# Altium PCB Supply_modulev3.0.PcbDoc
Units mm, origin at the board's own origin, x right, y up, seen from the top; angles counter-clockwise.
Board outline 131.75 x 112.76 mm, 2 copper layers (Top Layer, Bottom Layer); 277 components, 200 nets, 975 pads, 6 vias.
Unrouted connection lines stored in the file: 648.
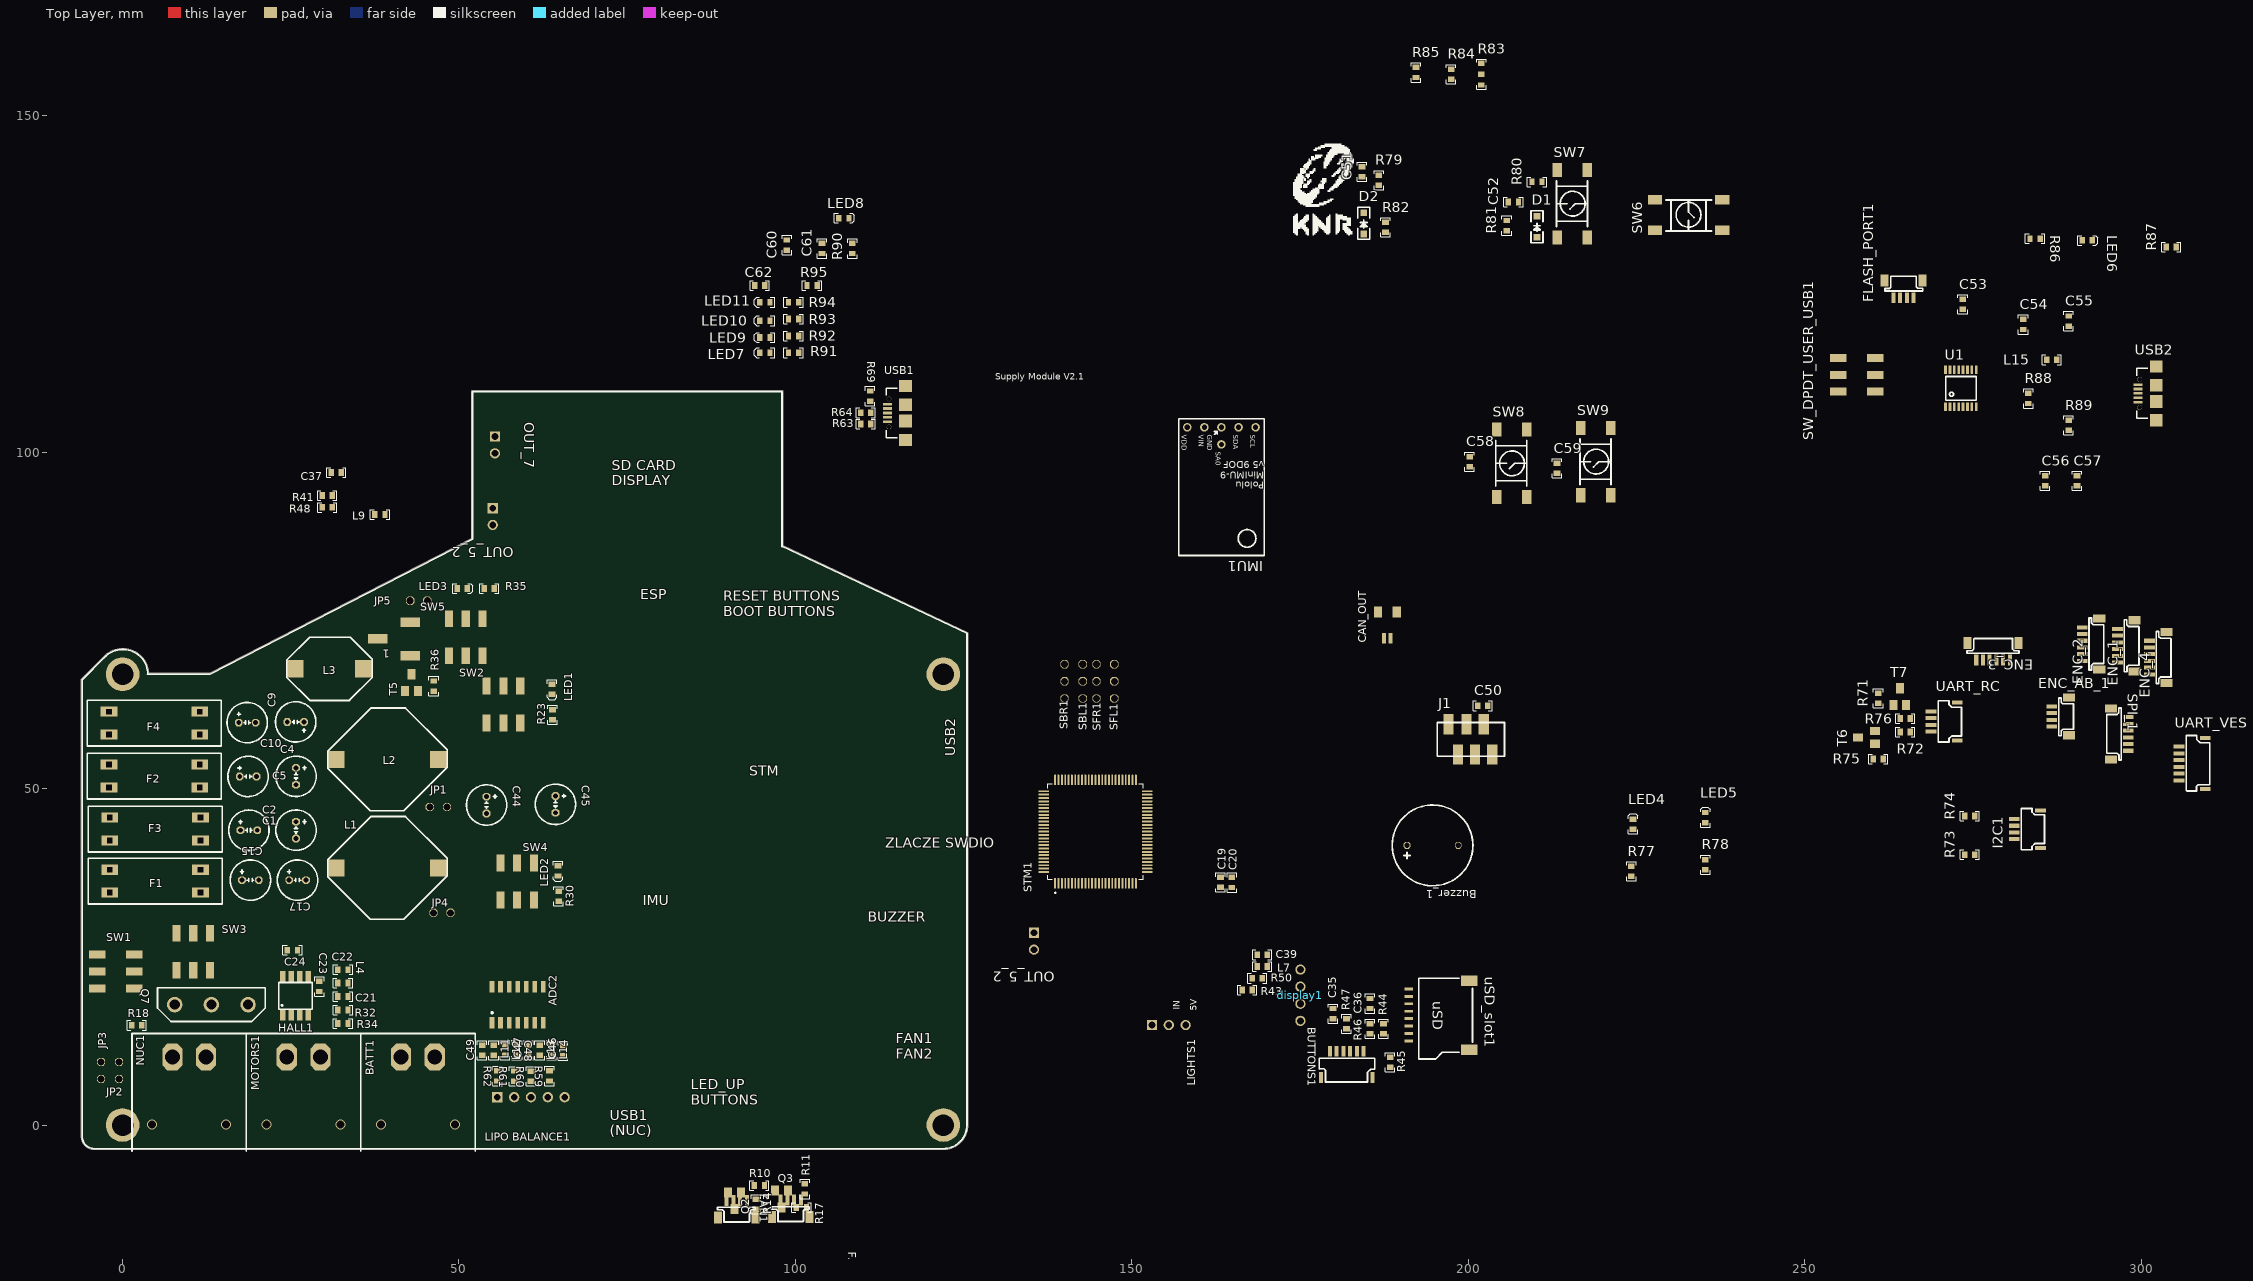
[diagram p0: Top Layer view]
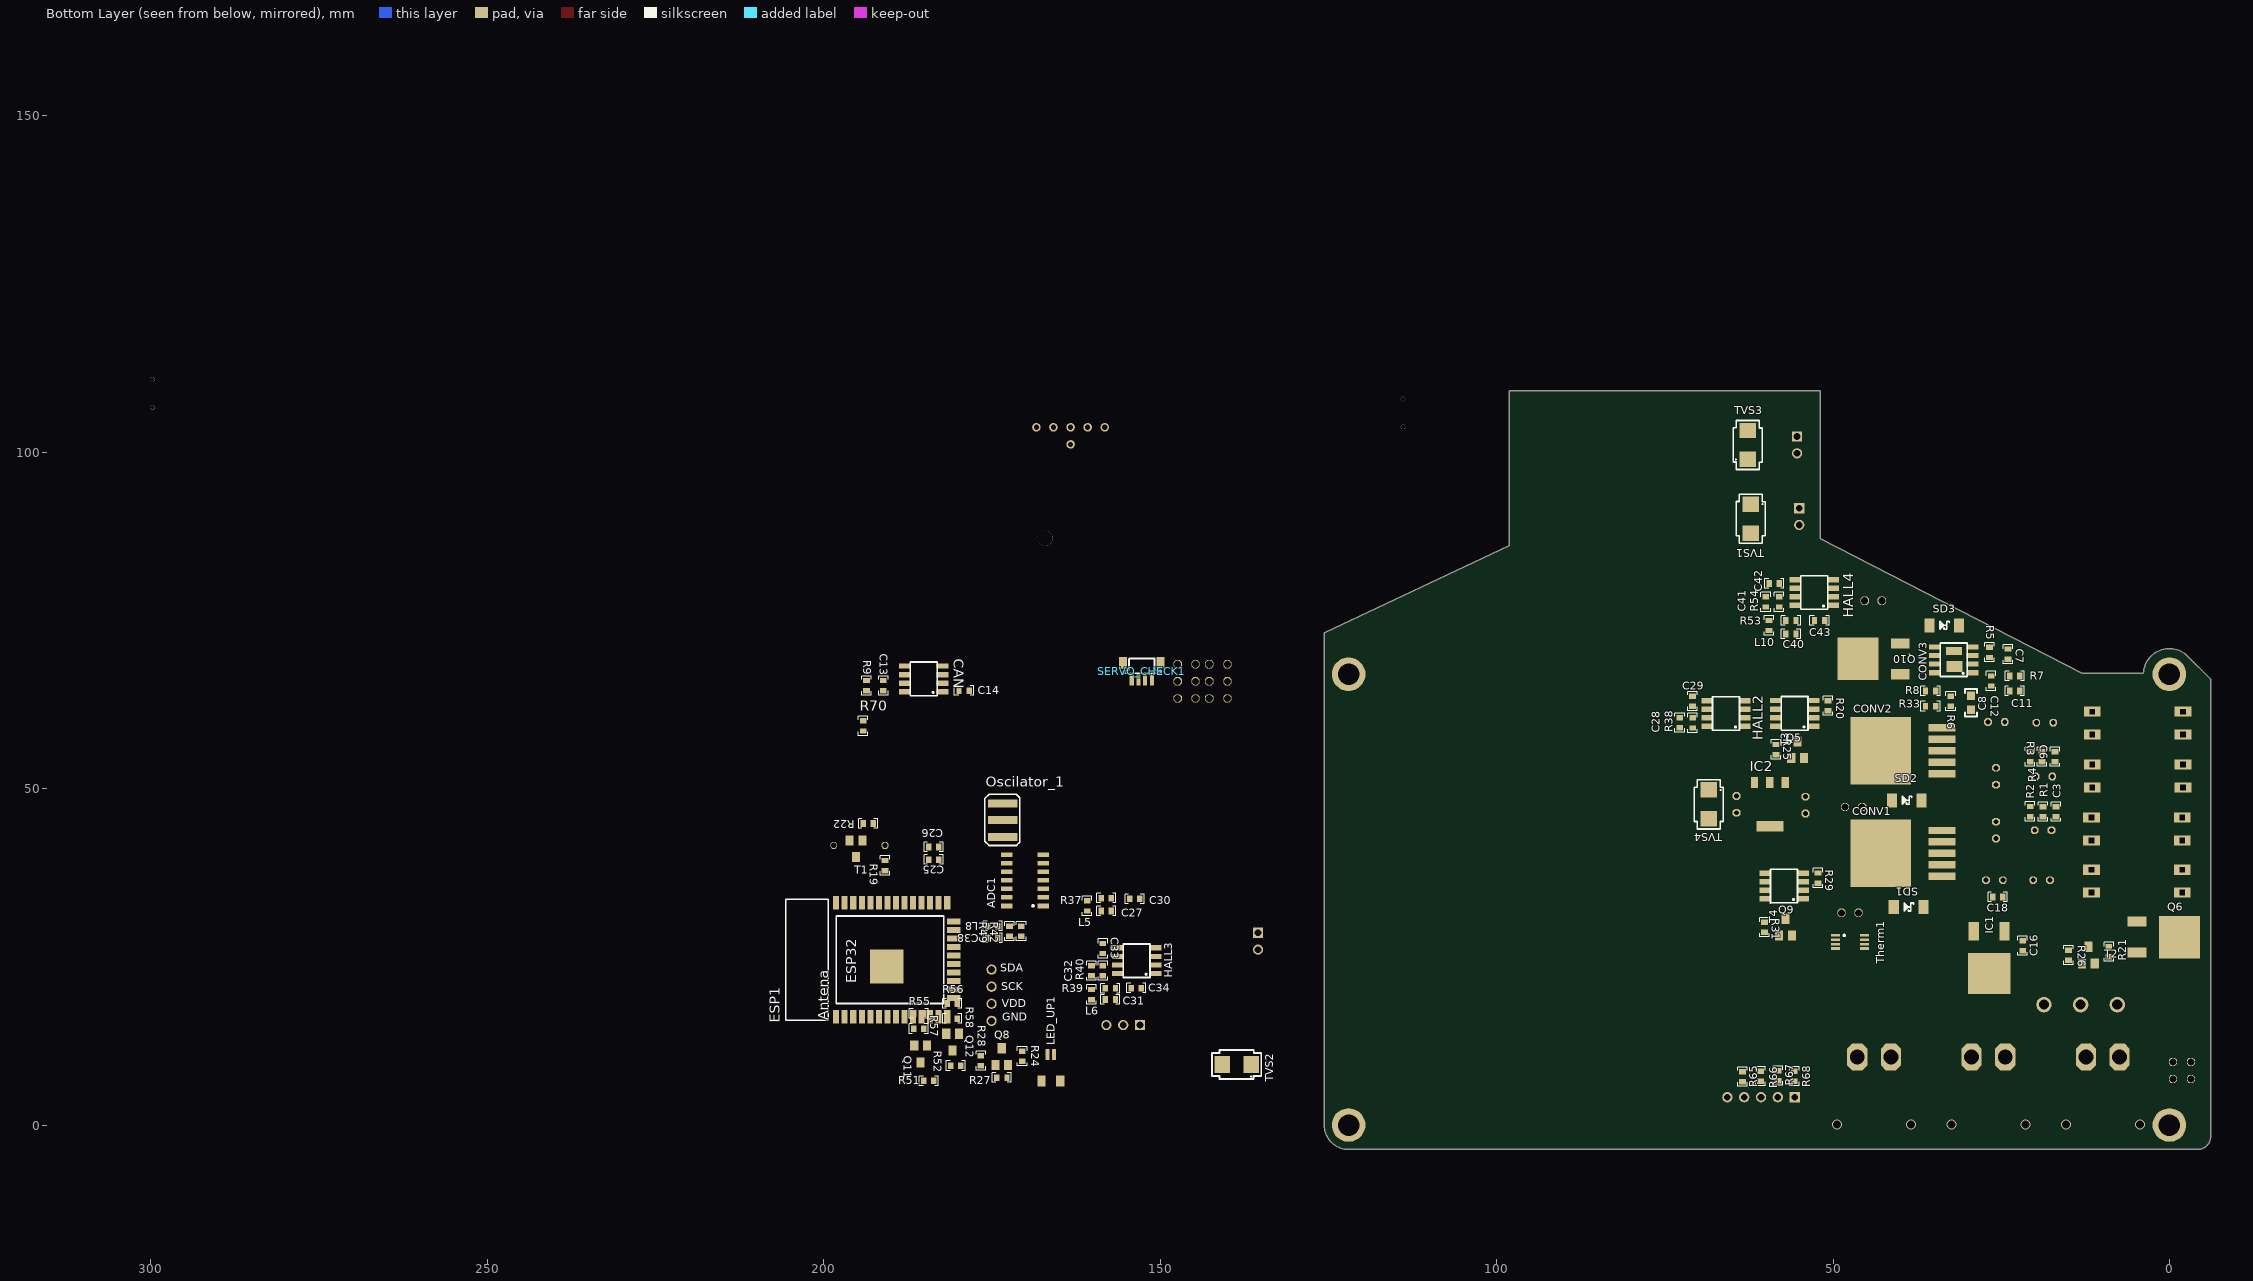
[diagram p1: Bottom Layer view, seen from below]

## Layer stack, top to bottom
Top Solder: solder mask 0.0102, Solder Resist, Dk 3.5
Top Layer: signal copper 0.0356
Dielectric 1: dielectric 0.32, FR-4, Dk 4.8
Bottom Layer: signal copper 0.0356
Bottom Solder: solder mask 0.0102, Solder Resist, Dk 3.5

## Board outline
-4.197,-3.63 cw(c-4.197,-1.7) -6.127,-1.7 -6.127,66.2 cw(c-6,66.2) -6.09,66.29 -2.792,69.588 cw(c0.027,66.975) 3.868,67.127 12.969,67.127 51.873,87.138 51.873,109 cw(c52,109) 52,109.127 98,109.127 cw(c98,109) 98.127,109 98.127,86.081 125.554,73.19 cw(c125.5,73.075) 125.627,73.075 125.627,0 cw(c122,0) 122,-3.627 -4.171,-3.627 cw(c-4.197,-3.503)

## Design rules (kind name [scope] priority, off if disabled: settings)
Clearance Clearance_2 [InNet('VCC_M')] p1: gap=0.203 except(0.381: Arc-Poly Track-Poly SMDPad-Poly THPad-Poly Via-Poly Fill-Poly; 0.508: Poly-Poly)
Clearance Clearance_1 [InNet('VCC')] p2: gap=0.203 except(0.381: Arc-Poly Track-Poly SMDPad-Poly THPad-Poly Via-Poly Fill-Poly; 0.508: Poly-Poly)
Clearance [All] p3: gap=0.203 except(0.508: Poly-Poly)
PlaneClearance PlaneClearance_2 [InNet('VCC')] p1: clearance=0.508
PlaneClearance PlaneClearance_1 [InNet('VCC_M')] p2: clearance=0.508
PlaneClearance [InNet('GND')] p3: clearance=0.508
PolygonConnect PolygonConnect_2 [InNet('VCC') vs InNet('VCC')] p1: connectstyle=Direct reliefconductorwidth=0.254 reliefentries=4 polygonreliefangle="90 Angle" airgapwidth=0.254
PolygonConnect PolygonConnect_1 [InNet('VCC_M') vs InNet('VCC_M')] p2: connectstyle=Direct reliefconductorwidth=0.254 reliefentries=4 polygonreliefangle="90 Angle" airgapwidth=0.254
PolygonConnect [InNet('GND') vs InNet('GND')] p3: connectstyle=Relief reliefconductorwidth=0.254 reliefentries=4 polygonreliefangle="90 Angle" airgapwidth=0.254
RoomDefinition Schematic3 [InComponentClass('Schematic3')] p1: confinementstyle=ConfineIn formatcopy=TRUE lockcomponents=FALSE outline 215.764,2.917 411.263,2.917 411.263,32.167 215.764,32.167
RoomDefinition Schematic2 [InComponentClass('Schematic2')] p2: confinementstyle=ConfineIn formatcopy=TRUE lockcomponents=FALSE outline 214.419,14.416 367.919,14.416 367.919,26.416 214.419,26.416
RoomDefinition Schametic1 [InComponentClass('Schametic1')] p3: confinementstyle=ConfineIn formatcopy=TRUE lockcomponents=FALSE outline -23.8,-23.425 27,-23.425 27,1.975 -23.8,1.975
RoomDefinition Supply_modulev3.0 [InComponentClass('Supply_modulev3.0')] p4: confinementstyle=ConfineIn formatcopy=TRUE lockcomponents=FALSE outline 243.2,-3.175 270.764,-3.175 270.764,24.003 243.2,24.003
RoutingVias [All] p1: holewidth=0.457 width=0.762 viastyle="Through Hole" minholewidth=0.152 minwidth=0.254 maxholewidth=0.711 maxwidth=1.27
SolderMaskExpansion [All] p1: expansion=0.102
Width [All] p1: maxlimit=6.579 minlimit=0.203 preferedwidth=0.254 minimp=50.000000 maximp=50.000000 favimp=50.000000
29 further rules are at their usual default settings.

## Classes and differential pairs
component class Schametic1: 1 C1 C2 C3 C4 C5 C6 C7 C8 C9 C10 C11 C12 CONV1 CONV2 CONV3 L1 L2 L3 R1 R2 R3 R4 R5 R6 R7 R8 SD1 SD2 SD3
component class Supply_modulev3.0: 1.2 ADC1 ADC2 BATT1 BUTTONS1 Buzzer_1 C13 C14 C15 C16 C17 C18 C19 C20 C21 C22 C23 C24 C25 C26 C27 C28 C29 C30 C31 C32 C33 C34 C35 C36 C37 C38 C39 C40 C41 C42 C43 C44 C45 C46 C47 C48 C49 C50 CAN CAN_OUT display1 F1 F2 F3 F4 FAN1 FAN2 HALL1 HALL2 HALL3 HALL4 IC1 IC2 J1 JP1 JP2 JP3 JP4 JP5 L4 L5 L6 L7 L8 L9 L10 L11 L12 L13 L14 LED1 LED2 LED3 LED_UP1 LIGHTS1 "LIPO BALANCE1" MOTORS MOTORS1 NUC1 oled Oscilator_1 OUT-3.3V-P OUT-5V-1-K OUT-5V-1-P OUT-5V-2-K OUT-5V-2-P OUT-7V-K OUT-7V-P OUT_5_2 OUT_7 Q2 Q3 Q5 Q6 Q7 Q8 Q9 Q10 Q11 Q12 R9 R10 R11 R12 R13 R14 R17 R18 R19 R20 R21 R22 R23 R24 R25 R26 R27 R28 R29 R30 R31 R32 R33 R34 R35 R36 R37 R38 R39 R40 R41 R42 R43 R44 R45 R46 R47 R48 R49 R50 R51 R52 R53 R54 R55 R56 R57 R58 R59 R60 R61 R62 R63 R64 R65 R66 R67 R68 R69 R70 SBL1 SBR1 SERVO_CHECK1 SFL1 SFR1 STM1 SW1 SW2 SW3 SW4 SW5 T1 T2 T3 T4 T5 Therm1 TVS1 TVS2 TVS3 TVS4 USB1 XL4015_5-1 XL4015_7
component class Schematic2: C51 C52 D1 D2 ENC_1 ENC_2 ENC_3 ENC_4 ENC_AB_1 I1 I2C1 IMU1 LD1 LD2 LED4 LED5 R71 R72 R73 R74 R75 R76 R77 R78 R79 R80 R81 R82 R83 R84 R85 SPI_1 SW6 SW7 T6 T7 UART_1 UART_RC UART_VESC
component class Schematic3: C53 C54 C55 C56 C57 C58 C59 C60 C61 C62 ESP1 FLASH_PORT1 L15 LD3 LD4 LD5 LD6 LD7 LD8 LED6 LED7 LED8 LED9 LED10 LED11 R86 R87 R88 R89 R90 R91 R92 R93 R94 R95 SW8 SW9 SW_DPDT_USER_USB1 U1 USB2 uSD_slot1

## Components (designator, comment, footprint, x,y, rotation, side; value= is the part's Value field where it differs from the comment)
1 "Pot1" POTENTIOMETER_1806 42.75,69.75 r90 top
ADC1 "MCP3302" SOIC-14 167.403,32.568 r90 bottom
ADC2 "MCP3302" SOIC-14 54.915,15.189 r0 top
BATT1 "BATT" XT30-katowy-in 43.9,10.1 r180 top
BUTTONS1 "6 PIN CONNECTOR" "JST SR SH 1.0 - 6PIN" 178.153,7.068 r0 top
Buzzer_1 "LD-BZEG-1205/3" Buzzer_LOUDITY 190.903,41.568 r180 top
C1 "220u" 2.5mm 25.781,45.085 r270 top
C2 "680u" 2.5mm 17.526,43.815 r0 top
C3 "0.1u" 0603#1 16.866,47.32 r270 bottom
C4 "220u" 2.5mm 25.781,53.086 r270 top
C5 "680u" 2.5mm 17.399,51.816 r0 top
C6 "0.1u" 0603#1 17.018,55.499 r270 bottom
C7 "Cap" 0603#1 24,70.75 r270 bottom
C8 "Cap" 0603#2 29.5,61.75 r90 bottom
C9 "680u" 2.5mm 26.975,59.919 r180 top
C10 "470U" 2.5mm 17.272,59.817 r0 top
C11 "0.1u" 0603#1 22.25,64.5 r0 bottom
C12 "0.1u" 0603#1 26.5,66.75 r270 bottom
C13 "100p" 0603#1 191.153,64.568 r90 bottom
C14 "100n" 0603#1 179.903,64.568 r180 bottom
C15 "220u" 2.5mm 17.754,36.405 r0 top
C16 "100n" 0603#1 21.819,27.407 r270 bottom
C17 "100u" 2.5mm 24.754,36.405 r0 top
C18 "100n" 0603#1 24.754,33.905 r0 bottom
C19 "100n" 0603#1 163.195,36.83 r270 top
C20 "100n" 0603#1 164.871,36.805 r270 top
C21 "cap" 0603#1 32,19.1 r0 top
C22 "Cap" 0603#1 32,23.1 r0 top
C23 "1n" 0603#1 29.25,21.35 r270 top
C24 "0.1u" 0603#1 24.5,26 r0 top
C25 "2.2u" 0603#1 182.903,39.443 r0 bottom
C26 "2.2u" 0603#1 182.903,41.318 r0 bottom
C27 "cap" 0603#1 158.753,31.818 r180 bottom
C28 "Cap" 0603#1 72.783,59.064 r90 bottom
C29 "1n" 0603#1 70.883,62.239 r90 bottom
C30 "0.1u" 0603#1 153.053,33.618 r0 bottom
C31 "cap" 0603#1 156.653,18.668 r0 bottom
C32 "Cap" 0603#1 160.203,23.693 r270 bottom
C33 "1n" 0603#1 158.528,26.993 r270 bottom
C34 "0.1u" 0603#1 154.328,20.343 r180 bottom
C35 "100n" 0603#1 179.903,15.818 r90 top
C36 "100n" 0603#1 185.403,17.318 r90 top
C37 "Cap" 0603#1 31,97 r0 top
C38 "Cap" 0603#1 175.653,27.818 r180 bottom
C39 "Cap" 0603#1 170.153,25.318 r180 top
C40 "cap" 0603#1 55.5,73 r0 bottom
C41 "Cap" 0603#1 60,78.5 r270 bottom
C42 "1n" 0603#1 59.5,80.5 r180 bottom
C43 "0.1u" 0603#1 52.75,75 r180 bottom
C44 "10u" 2.5mm 54.102,48.819 r270 top
C45 "22u" 2.5mm 64.338,48.92 r270 top
C46 "Cap" 0603#1 65.481,11.811 r270 top
C47 "Cap" 0603#1 60.3,11.887 r270 top
C48 "Cap" 0603#1 58.572,11.913 r270 top
C49 "Cap" 0603#1 53.442,11.887 r270 top
C50 "1uF" R0603 202.903,62.318 r180 top
C51 "Cap" 0603#1 184.225,140.946 r90 top
C52 "Cap" 0603#1 207.475,137.196 r180 top
C53 "Cap" 0603#1 273.5,121.25 r90 top
C54 "Cap" 0603#1 282.5,118.25 r90 top
C55 "Cap" 0603#1 289.25,118.75 r90 top
C56 "Cap" 0603#1 285.75,95 r90 top
C57 "Cap" 0603#1 290.5,95 r90 top
C58 "Cap" 0603#1 200.214,97.855 r90 top
C59 "Cap" 0603#1 213.214,96.855 r90 top
C60 "Cap" 0603#1 98.721,130.043 r90 top
C61 "Cap" 0603#1 103.971,129.543 r90 top
C62 "Cap" 0603#1 95.471,124.793 r180 top
CAN "TJA1050T/CM" SO8#1 185.403,66.318 r90 bottom
CAN_OUT "2 PIN CONNECTOR" "JST SR SH 1.0 - 2pin" 189.382,76.251 r180 top
CONV1 "LM2596S" TO263-5 33.782,40.386 r90 bottom
CONV2 "LM2596S" TO263-5 33.782,55.626 r90 bottom
CONV3 "AP1539" SOP-8L-DEP 29.25,67.25 r90 bottom
D1 "diode" SOD123 210.225,131.946 r90 top
D2 "diode" SOD123 184.475,132.446 r90 top
display1 "SSD1306" SSD1306 175.057,15.488 r90 top
ENC_1 "SPI" "JST SR SH 1.0 TOP - 6PIN" 299.05,67.435 r90 top
ENC_2 "SPI" "JST SR SH 1.0 TOP - 6PIN" 293.8,67.685 r90 top
ENC_3 "SPI" "JST SR SH 1.0 TOP - 6PIN" 281.813,71.653 r180 top
ENC_4 "SPI" "JST SR SH 1.0 TOP - 6PIN" 303.8,65.685 r90 top
ENC_AB_1 "4 PIN CONNECTOR" "JST SR SH 1.0 TOP - 4PIN" 289.3,57.935 r90 top
ESP1 "ESP-WROOM-32" ESP-WROOM-32 181.653,24.568 r90 bottom
F1 "Fuse" "3557-2 KEYSTONE" -1.905,34.544 r0 top
F2 "Fuse" "3557-2 KEYSTONE" -2.032,50.165 r0 top
F3 "Fuse" "3557-2 KEYSTONE" -1.905,42.291 r0 top
F4 "Fuse" "3557-2 KEYSTONE" -2.032,58.039 r0 top
FAN1 "4 PIN CONNECTOR" "JST SR SH 1.0 TOP - 4PIN" 88.487,-13.744 r0 top
FAN2 "4 PIN CONNECTOR" "JST SR SH 1.0 TOP - 4PIN" 96.509,-13.676 r0 top
FLASH_PORT1 "FLASH_PORT1" "JST SR SH 1.0 TOP - 4PIN" 267.5,125.5 r180 top
HALL1 "Hall Sensor" SO8#2 23.8,16.4 r0 top
HALL2 "Hall Sensor" SO8#2 63.108,59.264 r90 bottom
HALL3 "Hall Sensor" SO8#2 150.703,22.518 r90 bottom
HALL4 "Hall Sensor" SO8#2 50,77.25 r90 bottom
I2C1 "4 PIN CONNECTOR" "JST SR SH 1.0 - 4PIN" 285.05,41.185 r90 top
IC1 "7812T" "TO252 (DPAK)" 24.511,28.804 r0 bottom
IC2 "AP1117E33G-13" SOT223 57.074,50.927 r0 bottom
IMU1 "MinIMU-9 v5 9DOF" "MinIMU-9 v5 9DOF - GOLDPINS" 156.972,104.978 r180 top
J1 "Connfly" DS1015-06-06R6SR 200.403,57.318 r180 top
JP1 "Jumper" Raster_2.54_2pin 45.669,47.269 r0 top
JP2 "Jumper" Raster_2.54_2pin -0.516,9.386 r270 top
JP3 "Jumper" Raster_2.54_2pin -3.191,9.386 r270 top
JP4 "Jumper" Raster_2.54_2pin 46.203,31.547 r0 top
JP5 "Jumper" Raster_2.54_2pin 42.748,77.927 r0 top
L1 "33u" DL50 46.99,38.227 r180 top
L2 "33u" DL50 46.99,54.356 r180 top
L3 "22u" DL22 35.814,67.818 r180 top
L4 "L" R0603 33.5,21.1 r180 top
L5 "L" R0603 160.853,33.318 r270 bottom
L6 "L" R0603 160.228,20.143 r270 bottom
L7 "L" R0603 170.153,23.568 r180 top
L8 "L" R0603 175.653,29.568 r180 bottom
L9 "L" R0603 37.5,90.75 r0 top
L10 "L" R0603 59.5,75 r270 bottom
L11 "L" R0603 55.169,11.887 r270 top
L12 "L" R0603 56.871,11.913 r270 top
L13 "L" R0603 62.001,11.887 r270 top
L14 "L" R0603 63.754,11.913 r270 top
L15 "L" R0603 287.5,113.75 r180 top
LED1 "LED" 0603#1 63.833,65.539 r270 top
LED2 "LED" 0603#1 64.728,38.516 r270 top
LED3 "LED" 0603#1 49.75,79.75 r0 top
LED4 "LED" 0603#1 224.491,43.959 r90 top
LED5 "LED" 0603#1 235.241,44.959 r90 top
LED6 "LED" 0603#1 291.25,131.5 r0 top
LED7 "LED" 0603#1 96.221,114.793 r180 top
LED8 "LED" 0603#1 106.471,134.793 r0 top
LED9 "LED" 0603#1 96.221,117.043 r180 top
LED10 "LED" 0603#1 96.221,119.543 r180 top
LED11 "LED" 0603#1 96.221,122.293 r180 top
LED_UP1 "2 PIN CONNECTOR" "JST SR SH 1.0 - 2pin" 167.653,6.568 r180 bottom
LIGHTS1 "3 PIN CONNECTOR" "JST XH 3 TOP" 153.003,14.868 r0 top
"LIPO BALANCE1" "5 PIN CONNECTOR" "JST XH 5" 55.702,4.14 r0 top
MOTORS1 "BATT" XT30-katowy-in 26.9,10.1 r180 top
NUC1 "BATT" XT30-katowy-in 9.9,10.1 r180 top
Oscilator_1 "CSTCC8M00G53-R0" CSTCC8M00G53-R0 173.403,42.818 r90 bottom
OUT_5_2 "2 PIN CONNECTOR" "JST XH 2 TOP" 55.016,91.694 r270 top
OUT_5_2 "2 PIN CONNECTOR" "JST XH 2 TOP" 135.458,28.575 r270 top
OUT_7 "2 PIN CONNECTOR" "JST XH 2 TOP" 55.347,102.337 r270 top
Q2 "BSS138" SOT23 91.9,-10 r180 top
Q3 "BSS138" SOT23 98.9,-9.75 r180 top
Q5 "P-MOSFET" SO8#3 52.908,59.289 r90 bottom
Q6 "P-MOSFET" "TO252 (DPAK)" 4.801,30.226 r270 bottom
Q7 "P-MOSFET" TO-247-3 13.2,17.9 r0 top
Q8 "N-MOSFET" SOT23 174.503,8.918 r180 bottom
Q9 "P-MOSFET" SO8#3 54.478,33.616 r90 bottom
Q10 "P-MOSFET" "TO252 (DPAK)" 40,67 r90 bottom
Q11 "BSS138" SOT23 184.653,11.818 r0 bottom
Q12 "BSS138" SOT23 179.903,13.568 r0 bottom
R1 "47k" R0603 18.788,45.829 r90 bottom
R2 "47k" R0603 20.701,45.847 r90 bottom
R3 "47k" R0603 18.923,53.975 r90 bottom
R4 "47k" R0603 20.701,53.975 r90 bottom
R5 "3.9k" R0603 26.75,69.5 r90 bottom
R6 "Res" R0603 32.5,63.75 r270 bottom
R7 "100k" R0603 23.75,66.75 r180 bottom
R8 "Res" R0603 36.25,64.5 r180 bottom
R9 "60" R0603 193.653,64.568 r90 bottom
R10 "220" R0603 93.9,-9 r0 top
R11 "220" R0603 101.4,-10.25 r90 top
R14 "22k" R0603 94.15,-11 r270 top
R17 "22k" R0603 100.15,-12.25 r0 top
R18 "100k" R0603 2.87,14.834 r180 top
R19 "1k" R0603 190.903,37.818 r90 bottom
R20 "10k" R0603 50.749,63.094 r270 bottom
R21 "10k" R0603 9,26.5 r270 bottom
R22 "10k" R0603 192.653,44.818 r0 bottom
R23 "220" R0603 63.883,60.214 r90 top
R24 "220" R0603 170.503,10.968 r270 bottom
R25 "1k" R0603 58.471,55.067 r90 bottom
R26 "1k" R0603 15,24.5 r90 bottom
R27 "10k" R0603 172.778,7.043 r0 bottom
R28 "50" R0603 176.653,8.818 r90 bottom
R29 "10k" R0603 52.248,37.465 r270 bottom
R30 "220" R0603 64.821,33.274 r90 top
R31 "1k" R0603 60.173,30.15 r270 bottom
R32 "10k" R0603 32,17.1 r0 top
R33 "10k" R0603 36.25,62.25 r180 bottom
R34 "5.6k" R0603 33.5,15.1 r180 top
R35 "470" R0603 55.25,79.75 r180 top
R36 "1k" R0603 46.25,66 r270 top
R37 "10k" R0603 158.753,33.718 r180 bottom
R38 "5.6k" R0603 70.858,60.514 r270 bottom
R39 "10k" R0603 158.153,20.318 r180 bottom
R40 "5.6k" R0603 158.528,23.693 r270 bottom
R41 "8.2k" R0603 31.153,93.568 r180 top
R42 "5.6k" R0603 170.653,28.068 r90 bottom
R43 "5.6k" R0603 167.903,20.068 r180 top
R44 "10k" R0603 187.403,13.568 r90 top
R45 "10k" R0603 188.403,8.568 r90 top
R46 "1k" R0603 185.403,15.068 r270 top
R47 "1k" R0603 181.903,15.818 r270 top
R48 "5.6k" R0603 29.653,91.818 r0 top
R49 "8.2k" R0603 172.403,29.568 r270 bottom
R50 "8.2k" R0603 169.403,21.818 r180 top
R51 "330" R0603 185.153,6.568 r180 bottom
R52 "330" R0603 181.153,8.818 r180 bottom
R53 "10k" R0603 57,75 r180 bottom
R54 "5.6k" R0603 58,78.5 r270 bottom
R55 "10k" R0603 186.653,16.568 r180 bottom
R56 "10k" R0603 180.153,18.068 r0 bottom
R57 "10k" R0603 185.153,14.318 r0 bottom
R58 "10k" R0603 180.153,15.818 r0 bottom
R59 "4.7k" R0603 63.464,8.045 r270 top
R60 "8.2k" R0603 60.705,8.026 r270 top
R61 "22k" R0603 58.217,8.026 r270 top
R62 "22k" R0603 55.702,8.052 r270 top
R63 "22" R0603 111.221,104.197 r180 top